# Altium PCB LS1C300B_176A_Msystem.PcbDoc (part 2 of 3)
Units mm, origin at the board's own origin, x right, y up, seen from the top; angles counter-clockwise.
Board outline 100 x 70 mm, 2 copper layers (Top Layer, Bottom Layer); 142 components, 186 nets, 729 pads, 316 vias.
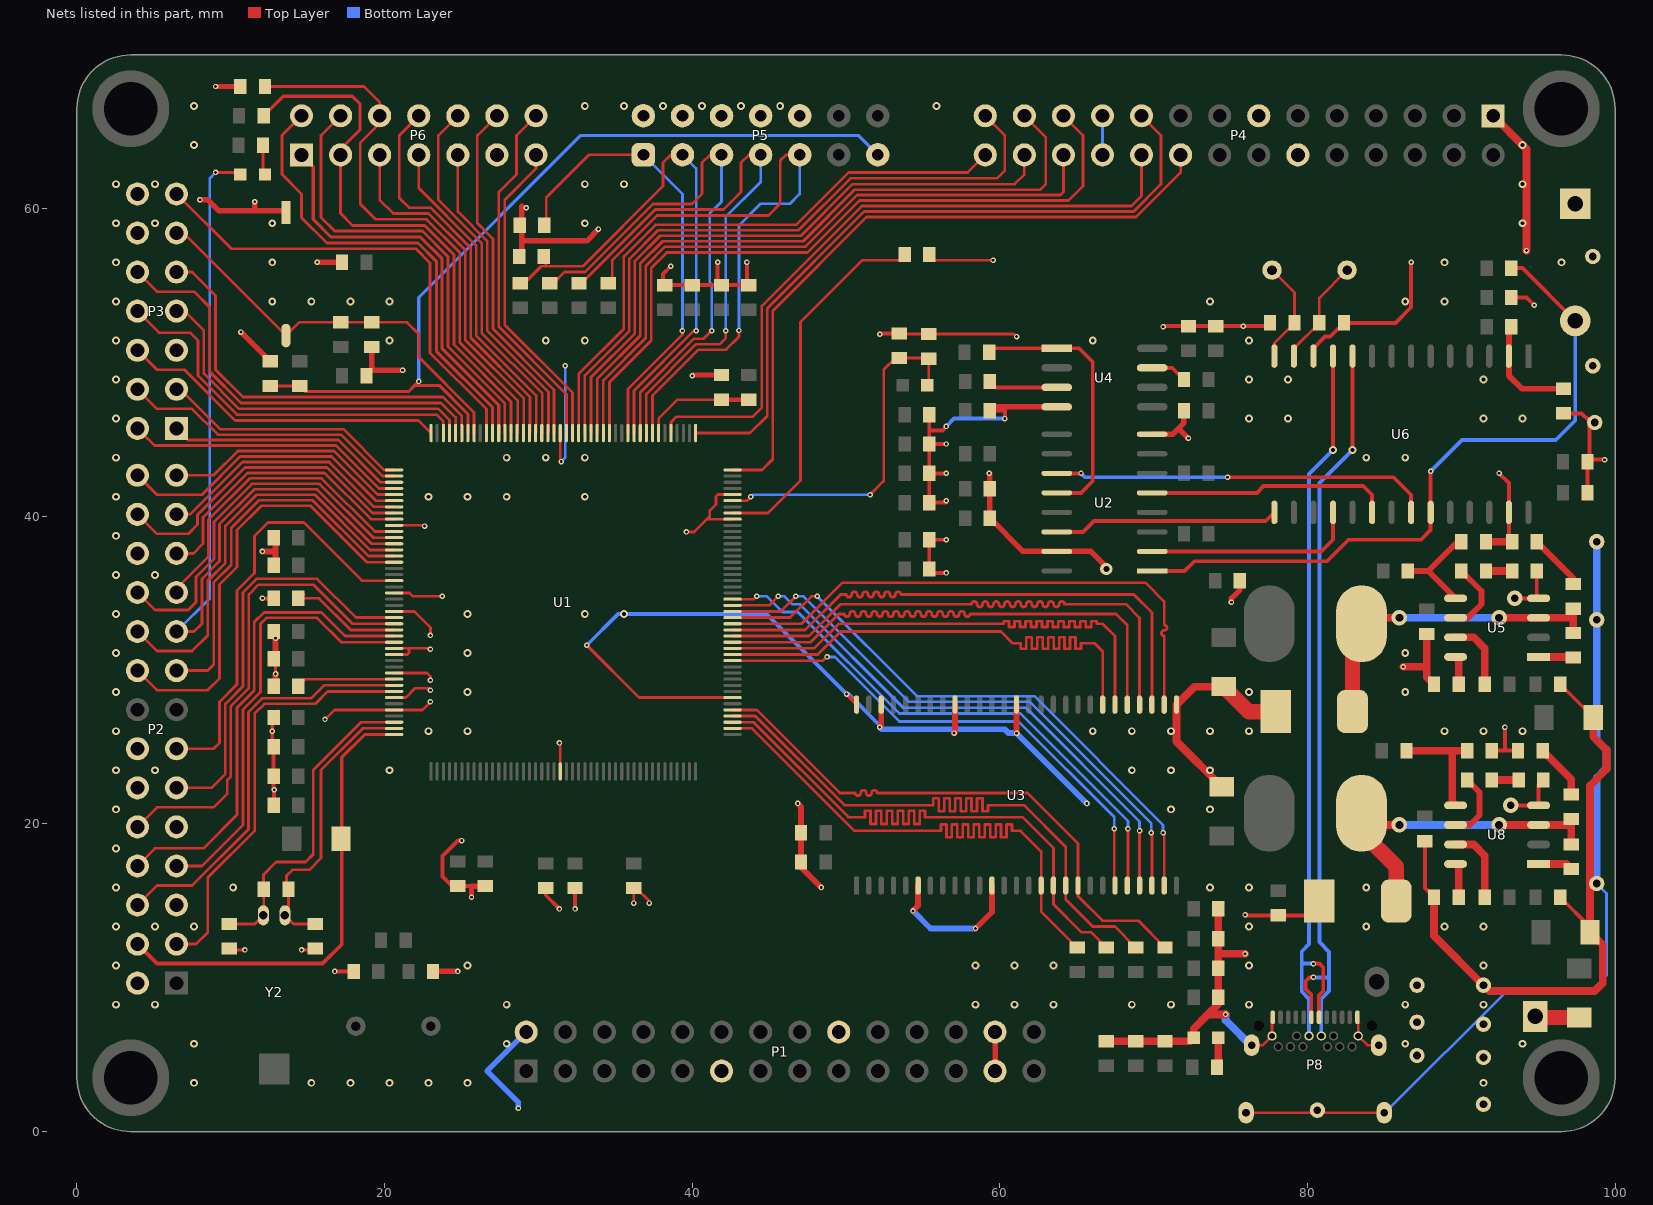
[diagram p2: the nets of this part, all layers, seen from the top]

## Via types
v1: diameter 0.356, hole 0.178, Top Layer to Bottom Layer, 160 vias
v2: diameter 0.508, hole 0.254, Top Layer to Bottom Layer, 138 vias
v3: diameter 1, hole 0.5, Top Layer to Bottom Layer, 11 vias
v4: diameter 0.8, hole 0.4, Top Layer to Bottom Layer, 2 vias
v5: diameter 0.762, hole 0.381, Top Layer to Bottom Layer, 2 vias
v6: diameter 1.5, hole 0.75, Top Layer to Bottom Layer, 1 vias
v7: diameter 0.6, hole 0.3, Top Layer to Bottom Layer, 1 vias
v8: diameter 1.2, hole 0.6, Top Layer to Bottom Layer, 1 vias

## Nets (pads, with @x,y where several pads share a name; then routed paths per layer and width w, separated by ;. In a path a pad name is that pad's centre, name@x,y a point inside that pad or via, vN(x,y) a via of type N, cw(c..) or ccw(c..) an arc to the next point about the centre after c; other vN are vias at no path point) (continued)
88: P4.18 U1.88 | length 43.9
  Top Layer w0.178: U1.88@42.623,43.017 44.541,43.017 45.237,43.713 45.237,53.36 51.339,59.461 68.859,59.461 71.755,62.357 P4.18@71.755,63.5
89: P4.19 U1.89 | length 46
  Top Layer w0.178: U1.89@40.223,45.417 43.766,45.417 44.882,46.533 44.882,53.518 51.181,59.817 68.707,59.817 70.485,61.595 70.485,64.77 P4.19@69.215,66.04
93: P4.20 U1.93 | length 43.9
  Top Layer w0.178: U1.93@38.623,45.417 38.623,46.116 38.989,46.482 43.942,46.482 44.526,47.066 44.526,53.67 51.029,60.173 68.555,60.173 69.215,60.833 P4.20@69.215,63.5
103: P4.23 U1.103 | length 47.2
  Top Layer w0.178: U1.103@34.623,45.417 34.623,48.72 37.338,51.435 37.338,56.134 38.354,57.15 47.498,57.15 50.876,60.528 64.465,60.528 65.405,61.468 65.405,64.77 P4.23@64.135,66.04
104: P4.24 U1.104 | length 43.6
  Top Layer w0.178: U1.104@34.223,45.417 34.223,48.828 36.982,51.587 36.982,56.281 38.232,57.531 47.371,57.531 50.724,60.884 63.932,60.884 64.135,61.087 P4.24@64.135,63.5
105: P4.25 U1.105 | length 45.7
  Top Layer w0.178: U1.105@33.823,45.417 33.823,48.936 36.627,51.74 36.627,56.429 38.085,57.887 47.219,57.887 50.571,61.239 62.636,61.239 62.992,61.595 62.992,64.643 P4.25@61.595,66.04
106: P4.26 U1.106 | length 41.3
  Top Layer w0.178: U1.106@33.423,45.417 33.423,49.044 36.271,51.892 36.271,56.591 37.922,58.242 47.066,58.242 50.419,61.595 60.96,61.595 61.595,62.23 P4.26@61.595,63.5
107: P4.27 U1.107 | length 43.4
  Top Layer w0.178: U1.107@33.023,45.417 33.023,49.152 35.916,52.045 35.916,56.744 37.77,58.598 46.914,58.598 50.292,61.976 59.817,61.976 60.325,62.484 60.325,64.77 P4.27@59.055,66.04
108: P4.28 U1.108 | length 38.9
  Top Layer w0.178: U1.108@32.623,45.417 32.623,49.26 35.56,52.197 35.56,56.896 37.617,58.953 46.761,58.953 50.165,62.357 57.912,62.357 P4.28@59.055,63.5
109: P6.13 U1.109 | length 20.8
  Top Layer w0.178: P6.13@29.845,63.5 29.845,62.611 27.813,60.579 27.813,52.451 32.223,48.041 U1.109@32.223,45.417
110: P6.14 U1.110 | length 23.4
  Top Layer w0.178: P6.14@29.845,66.04 28.575,64.77 28.575,62.23 27.432,61.087 27.432,52.324 31.823,47.933 U1.110@31.823,45.417
112: P6.12 U1.112 | length 23.2
  Top Layer w0.178: P6.12@27.305,66.04 26.035,64.77 26.035,59.055 27.051,58.039 27.051,52.197 31.023,48.225 U1.112@31.023,45.417
113: P6.9 U1.113 | length 20.5
  Top Layer w0.178: P6.9@24.765,63.5 24.765,59.817 26.67,57.912 26.67,52.07 30.656,48.084 30.656,45.45 U1.113@30.623,45.417
114: P6.10 U1.114 | length 24
  Top Layer w0.178: P6.10@24.765,66.04 23.495,64.77 23.495,60.579 26.314,57.76 26.314,51.918 30.256,47.976 30.256,45.45 U1.114@30.223,45.417
115: P6.7 U1.115 | length 21.3
  Top Layer w0.178: P6.7@22.225,63.5 22.225,61.341 25.959,57.607 25.959,51.765 29.856,47.868 29.856,45.45 U1.115@29.823,45.417
116: P6.8 U1.116 | length 25.5
  Top Layer w0.178: P6.8@22.225,66.04 20.955,64.77 20.955,60.706 21.59,60.071 22.987,60.071 25.603,57.455 25.603,51.613 29.456,47.76 29.456,45.45 U1.116@29.423,45.417
117: P6.5 U1.117 | length 23.3
  Top Layer w0.178: P6.5@19.685,63.5 19.685,60.579 20.574,59.69 22.86,59.69 25.248,57.302 25.248,51.46 29.056,47.652 29.056,45.45 U1.117@29.023,45.417
118(5): P6.6 R16.2 U1.118 | length 36.1
  Top Layer w0.178: R16.2@12.23,67.945 18.669,67.945 19.685,66.929 P6.6@19.685,66.04 19.685,65.532 18.415,64.262 18.415,60.325 19.431,59.309 22.733,59.309 24.892,57.15 24.892,51.308 28.656,47.544 28.656,45.45 U1.118@28.623,45.417
119(4): P6.3 R15.2 U1.119 | length 36.3
  Top Layer w0.2: R15.2@12.141,66.04 13.411,67.31 17.907,67.31 18.415,66.802 18.415,65.151 17.145,63.881 P6.3@17.145,63.5 17.145,59.69 17.921,58.914 22.61,58.914 24.511,57.012 24.511,51.17 28.223,47.458 U1.119@28.223,45.417
120: P6.4 U1.120 | length 29.4
  Top Layer w0.178: P6.4@17.145,66.04 15.875,64.77 15.875,59.436 16.764,58.547 22.458,58.547 24.13,56.875 24.13,51.033 27.823,47.34 U1.120@27.823,45.417
121: P6.1 U1.121 | length 26.8
  Top Layer w0.2: P6.1@14.605,63.5 15.367,62.738 15.367,59.309 16.51,58.166 22.32,58.166 23.749,56.737 23.749,50.895 27.423,47.221 U1.121@27.423,45.417
122: P6.2 U1.122 | length 30.3
  Top Layer w0.2: P6.2@14.605,66.04 13.335,64.77 13.335,62.23 14.605,60.96 14.605,59.422 16.256,57.771 22.181,57.771 23.368,56.584 23.368,50.742 27.023,47.087 U1.122@27.023,45.417
123: P3.13 U1.123 | length 30.9
  Top Layer w0.178: P3.13@6.477,60.96 10.033,57.404 22.029,57.404 22.962,56.472 22.962,50.63 26.623,46.968 U1.123@26.623,45.417
127: P3.9 U1.127 | length 26.4
  Top Layer w0.178: P3.9@6.477,55.88 7.493,55.88 9.017,54.356 9.017,49.53 10.795,47.752 23.796,47.752 25.023,46.525 U1.127@25.023,45.417
128: P3.10 U1.128 | length 28.1
  Top Layer w0.178: P3.10@3.937,55.88 5.207,54.61 7.62,54.61 8.636,53.594 8.636,49.403 10.668,47.371 23.674,47.371 24.623,46.422 U1.128@24.623,45.417
129: P3.7 U1.129 | length 23.2
  Top Layer w0.178: P3.7@6.477,53.34 6.985,53.34 8.255,52.07 8.255,49.276 10.541,46.99 23.495,46.99 24.223,46.262 U1.129@24.223,45.417
130: P3.8 U1.130 | length 24.9
  Top Layer w0.178: P3.8@3.937,53.34 5.334,51.943 7.366,51.943 7.874,51.435 7.874,49.149 10.414,46.609 23.368,46.609 23.823,46.154 U1.130@23.823,45.417
132: P3.6 U1.132 | length 21.3
  Top Layer w0.178: P3.6@3.937,50.8 5.207,49.53 6.985,49.53 10.287,46.228 22.212,46.228 U1.132@23.023,45.417
133: P3.3 U1.133 | length 16.3
  Top Layer w0.178: P3.3@6.477,48.26 6.726,48.26 9.317,45.669 17.323,45.669 19.975,43.017 U1.133@20.623,43.017
134: P3.4 U1.134 | length 19
  Top Layer w0.178: P3.4@3.937,48.26 5.207,46.99 7.493,46.99 9.169,45.314 17.17,45.314 19.867,42.617 U1.134@20.623,42.617
135: P3.1 U1.135 | length 15.6
  Top Layer w0.178: P3.1@6.477,45.72 7.239,44.958 17.003,44.958 19.744,42.217 U1.135@20.623,42.217
136: P3.2 U1.136 | length 18.3
  Top Layer w0.178: P3.2@3.937,45.72 5.055,44.602 16.855,44.602 19.641,41.817 U1.136@20.623,41.817
137: P2.27 U1.137 | length 16
  Top Layer w0.178: P2.27@6.477,42.672 8.89,42.672 10.465,44.247 16.708,44.247 19.538,41.417 U1.137@20.623,41.417
138: P2.28 U1.138 | length 19.4
  Top Layer w0.178: P2.28@3.937,42.672 5.207,41.402 8.128,41.402 10.617,43.891 16.561,43.891 19.435,41.017 U1.138@20.623,41.017
139: P2.25 U1.139 | length 16.8
  Top Layer w0.178: P2.25@6.477,40.132 7.366,40.132 10.77,43.536 16.403,43.536 19.322,40.617 U1.139@20.623,40.617
140: P2.26 U1.140 | length 20.6
  Top Layer w0.178: P2.26@3.937,40.132 5.207,38.862 7.239,38.862 7.849,39.472 7.849,40.107 10.922,43.18 16.256,43.18 19.219,40.217 U1.140@20.623,40.217
141: P2.23 U1.141 | length 18.6
  Top Layer w0.178: P2.23@6.477,37.592 7.569,37.592 8.204,38.227 8.204,39.939 11.09,42.824 16.104,42.824 19.111,39.817 U1.141@20.623,39.817
143: P2.21 U1.143 | length 20.2
  Top Layer w0.178: P2.21@6.477,35.052 6.477,35.306 8.56,37.389 8.56,39.792 11.237,42.469 15.915,42.469 19.367,39.017 U1.143@20.623,39.017
144: P2.22 U1.144 | length 24.4
  Top Layer w0.178: P2.22@3.937,35.052 5.08,33.909 7.239,33.909 7.747,34.417 7.747,36.068 8.915,37.236 8.915,39.644 11.384,42.113 15.768,42.113 19.264,38.617 U1.144@20.623,38.617
145: D3.2 P2.19 U1.145 | length 55.3
  Top Layer w0.178: P2.19@6.477,32.512 7.62,32.512 8.128,33.02 8.128,35.941 9.271,37.084 9.271,39.497 11.532,41.758 15.621,41.758 19.161,38.217 U1.145@20.623,38.217 ; v1(9.017,62.357) 10.503,62.357 D3.2@10.63,62.23 D3.2@10.541,62.141
  Bottom Layer w0.178: P2.19@6.477,32.512 8.636,34.671 8.636,61.976 v1(9.017,62.357)
146: P2.20 U1.146 | length 26.4
  Top Layer w0.178: P2.20@3.937,32.512 5.207,31.242 7.493,31.242 8.509,32.258 8.509,35.814 9.652,36.957 9.652,39.37 11.684,41.402 15.474,41.402 19.059,37.817 U1.146@20.623,37.817
147: P2.17 U1.147 | length 24.8
  Top Layer w0.178: P2.17@6.477,29.972 8.509,29.972 8.89,30.353 8.89,35.687 10.033,36.83 10.033,39.243 11.836,41.046 15.326,41.046 18.956,37.417 U1.147@20.623,37.417
148: P2.18 U1.148 | length 28.7
  Top Layer w0.178: P2.18@3.937,29.972 5.207,28.702 8.509,28.702 9.271,29.464 9.271,35.56 10.414,36.703 10.414,39.106 11.999,40.691 15.179,40.691 18.853,37.017 U1.148@20.623,37.017
151: P2.13 U1.151 | length 28.4
  Top Layer w0.178: P2.13@6.477,24.892 8.89,24.892 9.271,25.273 9.271,27.94 10.414,29.083 10.414,35.174 11.544,36.304 11.544,38.722 12.421,39.599 14.757,39.599 18.539,35.817 U1.151@20.623,35.817
157: P2.11 U1.157 | length 27.1
  Top Layer w0.178: P2.11@6.477,22.352 8.763,22.352 9.652,23.241 9.652,27.813 10.795,28.956 10.795,35.052 11.684,35.941 15.621,35.941 18.145,33.417 U1.157@20.623,33.417
158: P2.10 U1.158 | length 31
  Top Layer w0.178: P2.10@3.937,19.812 5.207,21.082 8.89,21.082 9.779,21.971 9.779,22.865 10.008,23.094 10.008,27.661 11.176,28.829 11.176,34.925 11.811,35.56 15.367,35.56 17.91,33.017 U1.158@20.623,33.017
160: P2.8 U1.160 | length 30.8
  Top Layer w0.178: P2.8@3.937,17.272 5.08,18.415 8.23,18.415 10.414,20.599 10.414,27.559 11.532,28.677 11.532,33.122 12.167,33.757 15.9,33.757 17.44,32.217 U1.160@20.623,32.217
161: P2.7 U1.161 | length 28.5
  Top Layer w0.178: P2.7@6.477,17.272 8.128,17.272 10.795,19.939 10.795,27.432 11.938,28.575 11.938,33.02 12.319,33.401 15.621,33.401 17.205,31.817 U1.161@20.623,31.817
168: P2.6 U1.168 | length 27.1
  Top Layer w0.178: P2.6@3.937,14.732 5.207,16.002 7.493,16.002 11.151,19.66 11.151,27.28 12.04,28.169 15.215,28.169 16.063,29.017 U1.168@20.623,29.017
169: P2.3 U1.169 | length 27.5
  Top Layer w0.178: P2.3@6.477,12.192 7.747,12.192 8.509,12.954 8.509,16.51 11.557,19.558 11.557,27.178 12.192,27.813 15.494,27.813 16.298,28.617 U1.169@20.623,28.617
ADC_VDDA: C18.2 C19.2 L1.2 U1.83 | length 22.6
  Top Layer w0.178: U1.83@42.623,41.017 43.557,41.017 v1(43.815,41.275) ; v1(51.562,41.402) 52.451,42.291 52.451,49.53 53.213,50.292 C19.2@53.467,50.292 55.334,50.292 C18.2@55.372,50.254 55.372,48.603 L1.2@55.283,48.514
  Bottom Layer w0.178: v1(43.815,41.275) 43.942,41.402 v1(51.562,41.402)
C\H\_\C\S\: U2.14 U6.15 | length 14.7
  Top Layer w0.254: U2.14@63.702,38.989 65.405,38.989 66.11,39.694 77.286,39.694 U6.15@77.851,40.259
CH_CLK_SPI0_CLK: U2.2 U6.18 | length 13.9
  Top Layer w0.254: U2.2@69.902,37.719 80.899,37.719 81.661,38.481 U6.18@81.661,40.259
CH_MISO_SPI0_MISO: U2.11 U6.22 | length 24.8
  Top Layer w0.254: U2.11@63.702,42.799 v1(65.278,42.799) ; v1(74.803,42.545) 85.598,42.545 86.741,41.402 U6.22@86.741,40.259
  Bottom Layer w0.254: v1(65.278,42.799) 65.532,42.545 v1(74.803,42.545)
CH_MOSI_SPI0_MOSI: U2.5 U6.20 | length 15.9
  Top Layer w0.254: U2.5@69.902,41.529 76.708,41.529 77.153,41.974 83.629,41.974 84.201,41.402 U6.20@84.201,40.259
CH_SDA: R42.1 S3.2 U2.1 U6.23 | length 45.8
  Top Layer w0.254: U2.1@69.902,36.449 72.009,36.449 72.644,37.084 81.28,37.084 82.677,38.481 87.376,38.481 88.011,39.116 U6.23@88.011,40.259 v1(88.011,42.926) ; R42.1@93.256,56.134 93.98,56.134 S3.2@97.409,52.705
  Bottom Layer w0.254: v1(88.011,42.926) 90.043,44.958 96.139,44.958 97.409,46.228 S3.2@97.409,52.705
D+: P8.A6 P8.B6 U6.10 | length 49.7
  Top Layer w0.254: P8.A6@80.249,7.433 80.249,8.905 79.883,9.271 79.883,9.779 80.137,10.033 v1(80.391,10.033) ; v2(82.931,44.323) U6.10@82.931,50.419
  Bottom Layer w0.254: v1(80.391,10.033) 81.407,10.033 ; P8.B6@80.899,6.223 80.899,8.636 81.407,9.144 81.407,10.033 ; v2(82.931,44.323) 80.772,42.164 80.772,12.319 81.407,11.684 81.407,10.033
D-: P8.A7 P8.B7 U6.11 | length 50.1
  Top Layer w0.254: v1(80.391,10.922) 80.772,10.922 81.026,10.668 81.026,9.144 80.749,8.867 P8.A7@80.749,7.433 ; v2(81.661,44.323) U6.11@81.661,50.419
  Bottom Layer w0.254: P8.B7@80.099,6.223 80.099,8.636 79.629,9.106 79.629,10.922 ; v1(80.391,10.922) 79.629,10.922 ; v2(81.661,44.323) 80.099,42.761 80.099,12.192 79.629,11.722 79.629,10.922
EJTAG_RST: P5.1 R35.1 U1.100 | length 29.9
  Top Layer w0.178: R35.1@30.518,58.928 30.518,60.744 33.274,63.5 P5.1@36.83,63.5 ; U1.100@35.823,45.417 35.823,48.269 39.37,51.816 v1(39.37,52.07)
  Bottom Layer w0.178: P5.1@36.83,63.5 39.37,60.96 v1(39.37,52.07)
EJTAG_SEL: R38.1 R39.1 U1.95 | length 7.4
  Top Layer w0.178: U1.95@37.823,45.417 37.823,46.362 39.047,47.587 R39.1@41.91,47.587
  Top Layer w0.3: R39.1@41.91,47.587 R38.1@43.688,47.587 R38.1@43.815,47.587
EJTAG_TCK: P5.5 R30.1 U1.96 | length 42.4
  Top Layer w0.178: R30.1@34.798,55.156 34.798,56.637 35.433,57.272 35.433,57.277 37.719,59.563 44.958,59.563 45.72,60.325 45.72,63.119 46.101,63.5 P5.5@46.99,63.5 ; U1.96@37.423,45.417 37.423,47.857 40.404,50.838 42.202,50.838 43.04,51.676 v1(43.04,52.083)
  Bottom Layer w0.178: v1(43.04,52.083) 43.04,58.915 44.45,60.325 46.355,60.325 46.99,60.96 P5.5@46.99,63.5
EJTAG_TDI: P5.2 R33.1 R34.1 U1.99 | length 35.5
  Top Layer w0.178: R33.1@29.083,55.156 30.188,56.261 30.48,56.261 ; R34.1@30.48,56.896 30.48,56.261 ; U1.99@36.223,45.417 36.223,48.166 40.127,52.07 v1(40.259,52.07) ; P5.2@39.37,63.5 38.608,63.5 38.1,62.992 38.1,61.468 32.893,56.261 30.48,56.261
  Bottom Layer w0.178: P5.2@39.37,63.5 40.259,62.611 v1(40.259,52.07)
EJTAG_TDO: P5.3 R32.1 U1.98 | length 36.3
  Top Layer w0.178: R32.1@30.988,55.156 31.712,55.88 33.02,55.88 37.44,60.3 39.98,60.3 40.64,60.96 40.64,62.992 41.148,63.5 P5.3@41.91,63.5 ; U1.98@36.623,45.417 36.623,48.063 40.109,51.549 40.754,51.549 v1(41.275,52.07)
  Bottom Layer w0.178: v1(41.275,52.07) 41.275,55.105 41.135,55.245 41.135,59.677 41.91,60.452 P5.3@41.91,63.5
EJTAG_TMS: P5.4 R31.1 U1.97 | length 38.3
  Top Layer w0.178: R31.1@32.809,55.156 37.597,59.944 42.037,59.944 43.18,61.087 43.18,62.992 43.688,63.5 P5.4@44.45,63.5 ; U1.97@37.023,45.417 37.023,47.96 40.256,51.194 41.796,51.194 42.177,51.575 v1(42.177,52.07)
  Bottom Layer w0.178: v1(42.177,52.07) 42.177,59.449 44.45,61.722 P5.4@44.45,63.5
FLASH_CS0: R6.2 U2.12 U4.1 | length 17.6
  Top Layer w0.254: R6.2@59.309,50.673 59.563,50.927 U4.1@63.702,50.927 65.151,50.927 66.04,50.038 66.04,42.291 65.278,41.529 U2.12@63.702,41.529
GND: C1.1 C2.1 C3.1 C4.1 C5.1 C6.1 C7.1 C8.1 C9.1 C10.1 C11.1 C12.1 C13.1 C14.1 C15.1 C16.1 C17.1 C18.1 C19.1 C20.1 C21.1 C22.1 C23.1 C24.1 C25.1 C26.1 C27.1 C28.1 C29.1 C30.1 C31.1 C32.1 C33.2 C36.2 C37.1 C38.1 C39.1 C40.1 C41.1 C42.1 C43.1 C44.1 C45.1 C46.1 C47.1 C48.1 C49.2 C53.2 C54.1 C56.1 C57.1 C58.1 C59.1 C60.2 C61.2 C62.1 C63.1 C64.1 C65.1 C67.2 C68.2 C69.1 C70.1 C71.1 D2.1 D4.1 D5.2 P1.2 P1.11 P1.18 P1.25 P1.26 P2.2 P2.5 P2.9 P2.12 P2.14 P2.24 P3.5 P3.12 P3.14 P4.1 P4.12 P4.13 P4.21 P4.22 P5.10 P5.11 P5.12 P5.13 P5.14 P6.11 P8.1 P8.2 P8.3 P8.4 P8.A1 P8.A12 P8.B1 P8.B12 pad.7 pad.11 pad.27 pad.28 pad.32 pad.33 pad.34 pad.35 pad.36 pad.37 pad.38 pad.39 pad.40 pad.41 R2.1 R4.1 R8.2 R11.1 R12.2 R14.1 R16.1 R20.1 R26.1 R27.2 R29.1 R34.2 R35.2 R37.2 R39.2 S2.1 S3.1 U1.22 U1.51 U1.80 U1.84 U1.111 U1.142 U1.153 U1.156 U1.162 U1.163 U1.166 U1.170 U1.172 U2.8 U2.15 U3.6 U3.12 U3.28 U3.41 U3.46 U3.52 U3.54 U4.4 U5.4 U6.12 U6.27 U8.4 | length 451
  Top Layer w0.178: C4.1@9.906,11.9 9.995,11.811 v1(10.922,11.811) ; v1(12.916,29.756) C15.1@12.916,30.734 ; v1(14.605,11.811) 15.151,11.811 15.278,11.684 C3.1@15.494,11.9 ; v1(16.129,26.797) 16.749,27.417 U1.172@20.623,27.417 22.464,27.417 v1(22.987,27.94) ; U1.170@20.623,28.217 21.385,28.217 21.997,28.829 22.86,28.829 v1(22.987,28.702) ; U1.166@20.623,29.817 22.761,29.817 22.987,29.591 v1(22.987,29.337) ; U1.163@20.623,31.017 21.492,31.017 21.59,31.115 21.59,31.417 ; U1.162@20.623,31.417 21.59,31.417 ; U1.156@20.623,33.817 21.936,33.817 22.987,32.766 v1(22.987,32.258) ; U1.153@20.623,35.017 21.625,35.017 21.844,34.798 v1(23.749,34.798) ; U1.142@20.623,39.417 22.559,39.417 v1(22.606,39.37) ; v1(22.987,31.369) 22.939,31.417 21.59,31.417 ; v1(31.369,25.273) 31.423,25.219 U1.22@31.423,23.417 ; U1.111@31.423,45.417 31.423,43.634 v1(31.496,43.561) ; v1(33.147,31.623) 36.553,28.217 U1.51@42.623,28.217 ; v1(36.195,14.859) C22.1@36.195,15.837 36.36,15.837 37.211,14.986 v1(37.211,14.859) ; v1(39.624,38.989) 40.132,38.989 40.96,39.817 ; U1.80@42.623,39.817 40.96,39.817 ; U1.84@42.623,41.417 41.671,41.417 41.542,41.288 41.542,40.78 41.148,40.386 41.148,40.005 40.96,39.817 ; C19.1@53.467,51.892 53.505,51.854 60.922,51.854 v1(61.087,51.689) ; R20.1@55.41,56.642 v1(59.563,56.642) ; P8.2@76.009,1.233 P8.3@84.989,1.233 ; P8.1@76.009,5.263 P8.1@76.369,5.623 77.099,5.623 P8.B12@77.699,6.223 77.699,7.383 P8.A1@77.749,7.433 ; P8.A12@83.249,7.433 83.299,7.383 P8.B1@83.299,6.223 83.899,5.623 P8.4@84.629,5.623 P8.4@84.989,5.263
  Top Layer w0.254: v1(12.065,34.671) R4.1@12.789,34.671 ; C28.1@12.7,25.057 v1(12.7,26.035) 12.7,26.962 C29.1@13.043,27.305 ; C13.1@12.789,21.209 12.827,21.247 v1(12.827,22.225) 12.789,22.263 C14.1@12.789,23.114 C28.1@12.789,25.019 ; v1(16.764,10.414) C1.1@17.996,10.414 ; v1(25.019,18.923) 24.765,18.923 23.762,17.92 23.762,16.586 24.384,15.964 25.654,15.964 ; C5.1@30.48,15.837 30.48,15.367 v1(31.369,14.478) ; v1(32.385,14.478) C6.1@32.385,15.837 ; v1(38.608,56.261) 38.1,55.753 38.1,55.029 43.561,55.029 v1(43.561,56.515) ; C26.1@41.656,55.029 v1(41.656,56.515) ; v1(50.038,28.448) 50.686,27.8 U3.54@50.686,27.762 ; v1(52.197,51.841) 52.248,51.892 C19.1@53.467,51.892 ; C8.1@55.41,42.799 v1(56.515,42.799) ; C9.1@55.41,44.704 v1(56.515,44.704) ; C17.1@55.41,46.609 55.41,45.593 ; v1(56.515,36.322) 55.664,36.322 C23.1@55.41,36.576 C24.1@55.41,38.481 v1(56.515,38.481) ; v1(56.515,41.021) 56.515,40.894 C7.1@55.41,40.894 55.41,45.593 ; v1(56.515,45.847) 56.261,45.593 55.41,45.593 ; C48.1@59.347,46.863 60.325,46.863 v1(60.325,46.355) ; v1(70.612,52.324) 70.65,52.362 C47.1@72.263,52.362 C46.1@74.041,52.362 v1(75.819,52.362) 77.343,52.362 C64.1@77.559,52.578 ; v1(75.946,14.097) 75.984,14.059 C67.2@78.105,14.059 79.845,14.059 D2.1@80.772,14.986 ; U6.12@80.391,50.419 80.391,50.927 81.153,51.689 81.483,51.689 C63.1@82.372,52.578 85.725,52.578 86.741,53.594 v1(86.741,56.515) ; C69.1@87.63,18.885 87.63,15.837 C33.2@88.227,15.24 ; R29.1@91.986,24.765 92.837,24.765 ; v1(92.456,42.799) 93.091,42.164 U6.27@93.091,40.259 93.091,38.57 R12.2@93.307,38.354 ; v1(92.837,26.289) 92.837,24.765 ; v3(93.218,21.209) U8.4@95.029,21.209 95.029,22.563 R26.1@95.326,22.86 ; C56.1@93.256,54.229 94.234,54.229 v1(94.742,53.721) ; v3(93.472,34.671) U5.4@95.029,34.671 94.907,34.793 R11.1@94.907,36.449 ; R27.2@93.688,24.765 92.837,24.765 ; C65.1@96.431,15.24 C36.2@98.374,13.297 ; C54.1@96.431,29.083 98.577,26.937 C53.2@98.577,26.924 ; R8.2@96.647,46.698 97.828,46.698 98.336,46.19 C58.1@98.336,43.688 ; C57.1@98.209,41.529 C58.1@98.209,43.561 C58.1@98.336,43.688 ; v1(99.314,43.688) C58.1@98.336,43.688
  Top Layer w0.3: v1(40.005,49.149) 40.043,49.187 R39.2@41.91,49.187
  Top Layer w0.356: v1(8.001,60.579) 8.509,60.579 9.208,59.88 11.557,59.88 ; v1(9.017,67.945) R16.1@10.63,67.945 ; v1(10.668,51.981) R37.2@12.573,50.076 ; v1(11.557,60.452) 11.557,59.88 ; S2.1@13.589,59.753 13.462,59.88 11.557,59.88 ; C32.1@19.177,51.016 19.177,49.492 v1(21.171,49.492) ; C2.1@23.152,10.414 v1(24.765,10.414) ; v1(25.654,15.24) 25.654,15.964 C21.1@26.67,15.964 ; R34.2@28.88,56.896 28.918,56.934 28.918,57.912 ; v1(29.21,60.071) 29.007,60.071 28.918,60.16 28.918,60.071 28.918,57.912 ; v1(33.909,58.674) 33.147,57.912 28.918,57.912 ; v1(52.197,26.289) 52.286,26.378 U3.52@52.286,27.762 ; v1(59.309,42.799) 59.347,42.761 C71.1@59.347,41.783 C70.1@59.347,39.878 61.506,37.719 U2.15@63.702,37.719 65.913,37.719 66.929,36.703 v4(66.929,36.576) ; C48.1@59.347,46.863 59.601,47.117 U4.4@63.702,47.117 ; P1.25@59.69,3.937 P1.26@59.69,6.477 ; U2.8@69.902,45.339 71.247,45.339 71.609,45.701 ; C59.1@71.971,46.863 71.971,46.063 71.609,45.701 ; v1(72.263,45.085) 72.225,45.085 71.609,45.701 ; v1(75.057,34.417) 75.057,34.671 75.603,35.217 C60.2@75.603,35.814
  Top Layer w0.381: v1(12.065,37.719) 12.916,37.719 ; R2.1@12.916,29.413 v1(12.916,29.756) ; C15.1@12.916,31.115 v1(12.916,32.067) ; C16.1@12.916,36.83 12.916,37.719 ; C31.1@12.916,38.735 12.916,37.719 ; v1(15.621,56.515) C27.1@17.234,56.515 ; v1(46.863,21.336) 47.079,21.12 47.079,17.183 v1(48.387,15.875) ; v1(54.356,14.351) 54.686,14.681 U3.6@54.686,16.002 ; v1(57.023,25.909) 57.086,25.972 U3.46@57.086,27.762 ; v1(58.42,13.208) 59.486,14.274 U3.12@59.486,16.002 ; U3.41@61.086,27.762 v1(61.087,25.908) v1(61.087,25.908)
  Top Layer w0.5: C44.1@66.929,5.88 72.39,5.88 D5.2@72.606,6.096 72.606,6.693 73.533,7.62 ; C42.1@74.206,14.478 74.206,11.557 ; C68.2@74.422,22.428 71.486,25.364 U3.28@71.486,27.762 72.655,28.931 C61.2@74.549,28.931 ; v1(74.676,7.62) 73.533,7.62 ; v1(75.946,11.557) 74.206,11.557 ; v1(86.233,30.226) 87.757,30.226 ; C62.1@87.757,32.347 87.757,30.226 ; C33.2@88.227,15.24 88.227,12.738 pad.36@91.44,9.525 91.821,9.144 98.679,9.144 99.187,9.652 99.187,12.141 C36.2@98.374,12.954 98.374,13.297 98.374,22.499 99.437,23.562 99.437,24.825 98.577,25.685 C53.2@98.577,26.924 ; C49.2@88.227,29.083 87.757,29.553 87.757,30.226 ; R14.1@91.605,38.354 R12.2@93.307,38.354 ; P4.1@92.202,65.913 v2(93.98,64.135) 94.234,63.881 v1(94.234,57.277) ; 73.533,7.62 74.206,8.293 74.206,11.557
  Top Layer w1: C61.2@74.549,28.931 76.175,27.305 D4.1@77.931,27.305
  Bottom Layer w0.178: v1(31.496,43.561) 31.75,43.815 v1(31.75,49.784) ; P4.22@66.675,63.5 P4.21@66.675,66.04 ; P8.3@84.989,1.233 85.053,1.233 92.964,9.144 98.425,9.144 99.441,10.16 99.441,15.494 pad.39@98.806,16.129
  Bottom Layer w0.254: v1(33.147,31.623) 35.179,33.655 v2(35.56,33.655) 44.831,33.655 v1(50.038,28.448) 50.165,28.448 52.197,26.416 v1(52.197,26.289) ; v1(56.515,45.847) 57.023,46.355 v1(60.325,46.355)
  Bottom Layer w0.356: P2.2@3.937,9.271 P2.2@3.937,9.652 ; v1(28.702,1.524) 28.702,1.905 26.67,3.937 P1.2@29.21,6.477
  Bottom Layer w0.381: v1(52.197,26.289) 52.324,26.162 60.325,26.162 60.579,25.908 v1(61.087,25.908) v1(65.659,21.336) ; v1(54.356,14.351) 55.499,13.208 v1(58.42,13.208)
  Bottom Layer w0.5: v1(74.676,7.62) 74.676,7.239 P8.1@76.56,5.355 ; P8.1@76.369,5.623 P8.1@76.369,5.927 ; pad.39@98.806,16.129 98.806,22.987 99.437,23.618 99.437,24.825 98.806,25.456 pad.27@98.806,33.274 pad.7@98.806,38.354
  other v2: 7.62,3.175 15.24,3.175 17.78,3.175 20.32,3.175 22.86,3.175 25.4,3.175 91.44,3.175 7.62,5.715 27.94,5.715 86.36,5.715 93.98,5.715 2.54,8.255 5.08,8.255 27.94,8.255 58.42,8.255 60.96,8.255 63.5,8.255 68.58,8.255 71.12,8.255 76.2,8.255 86.36,8.255 91.44,8.255 2.54,10.795 25.4,10.795 58.42,10.795 60.96,10.795 63.5,10.795 76.2,10.795 91.44,10.795 2.54,13.335 5.08,13.335 7.62,13.335 76.2,13.335 83.82,13.335 88.9,13.335 91.44,13.335 2.54,15.875 10.16,15.875 73.66,15.875 76.2,15.875 83.82,15.875 2.54,18.415 2.54,20.955 71.12,20.955 73.66,20.955 2.54,23.495 5.08,23.495 20.32,23.495 68.58,23.495 71.12,23.495 73.66,23.495 2.54,26.035 22.86,26.035 25.4,26.035 66.04,26.035 68.58,26.035 71.12,26.035 73.66,26.035 76.2,26.035 88.9,26.035 91.44,26.035 93.98,26.035 2.54,28.575 25.4,28.575 76.2,28.575 86.36,28.575 2.54,31.115 25.4,31.115 86.36,31.115 2.54,33.655 25.4,33.655 33.02,33.655 2.54,36.195 5.08,36.195 2.54,38.735 2.54,41.275 22.86,41.275 25.4,41.275 27.94,41.275 33.02,41.275 2.54,43.815 27.94,43.815 30.48,43.815 33.02,43.815 83.82,43.815 86.36,43.815 2.54,46.355 76.2,46.355 78.74,46.355 91.44,46.355 93.98,46.355 2.54,48.895 76.2,48.895 78.74,48.895 91.44,48.895 2.54,51.435 20.32,51.435 30.48,51.435 33.02,51.435 66.04,51.435 76.2,51.435 2.54,53.975 12.7,53.975 15.24,53.975 17.78,53.975 20.32,53.975 73.66,53.975 86.36,53.975 88.9,53.975 2.54,56.515 12.7,56.515 88.9,56.515 96.52,56.515 2.54,59.055 5.08,59.055 12.7,59.055 33.02,59.055 93.98,59.055 2.54,61.595 5.08,61.595 33.02,61.595 35.56,61.595 93.98,61.595 7.62,64.135 7.62,66.675 33.02,66.675 35.56,66.675 38.1,66.675 40.64,66.675 43.18,66.675 45.72,66.675 55.88,66.675
JTAG_SEL: P5.7 R36.1 R37.1 U1.126 | length 55.7
  Top Layer w0.2: R37.1@12.573,48.476 R36.1@14.478,48.476 14.835,48.119 21.576,48.119 21.971,48.514 ; v1(22.225,48.768) 21.971,48.514 ; U1.126@25.423,45.417 25.423,46.644 23.553,48.514 22.225,48.514 21.971,48.514
  Bottom Layer w0.2: v1(22.225,48.768) 22.225,54.229 32.766,64.77 50.8,64.77 P5.7@52.07,63.5
NetC33_1: C33.1 U8.8 | length 2.2
  Top Layer w0.5: U8.8@89.629,17.399 89.827,17.201 C33.1@89.827,15.24
NetC34_1: C34.1 U8.1 | length 2.3
  Top Layer w0.5: U8.1@95.029,17.399 96.825,17.399 C34.1@97.155,17.069
NetC34_2: C34.2 C66.2 D2.2 L3.2 U8.3 | length 21.5
  Top Layer w0.5: L3.2@83.518,20.193 83.772,19.939 v3(85.979,19.939) ; v3(92.456,19.939) U8.3@95.029,19.939 C66.2@97.155,19.939 ; C34.2@97.155,18.669 C66.2@97.155,19.939 ; C66.2@97.155,20.32 C66.2@97.155,19.939
  Top Layer w1: L3.2@83.518,20.193 83.518,19.479 85.772,17.225 D2.2@85.772,14.986
  Bottom Layer w0.5: v3(85.979,19.939) v3(92.456,19.939)
NetC35_1: C35.1 R26.2 | length 1.7
  Top Layer w0.5: C35.1@91.986,22.86 R26.2@93.726,22.86
NetC35_2: C35.2 U8.6 | length 4.4
  Top Layer w0.381: U8.6@89.629,19.939 90.551,19.939 91.186,20.574 91.186,22.06 C35.2@90.386,22.86
NetC49_1: C49.1 U5.8 | length 1.9
  Top Layer w0.5: U5.8@89.629,30.861 89.827,30.663 C49.1@89.827,29.083
NetC50_1: C50.1 U5.1 | length 2.3
  Top Layer w0.5: U5.1@95.029,30.861 97.244,30.861 C50.1@97.282,30.823
NetC50_2: C50.2 C55.2 D4.2 L2.2 U5.3 | length 21.5
  Top Layer w0.5: L2.2@83.518,33.02 83.899,33.401 v3(85.979,33.401) ; v3(92.456,33.401) U5.3@95.029,33.401 97.155,33.401 97.282,33.274 ; C50.2@97.282,32.423 97.282,33.274 ; C55.2@97.282,33.998 97.282,33.274
  Top Layer w1: D4.2@82.931,27.305 82.931,32.433 L2.2@83.518,33.02
  Bottom Layer w0.5: v3(85.979,33.401) v3(92.456,33.401)
NetC51_1: C51.1 R11.2 | length 1.7
  Top Layer w0.508: C51.1@91.605,36.449 R11.2@93.307,36.449
NetC51_2: C51.2 U5.6 | length 4.8
  Top Layer w0.381: U5.6@89.629,33.401 90.424,33.401 91.313,34.29 91.313,35.141 C51.2@90.005,36.449
NetC52_1: C52.1 R8.1 U6.2 | length 7.2
  Top Layer w0.381: C52.1@93.256,52.324 93.091,52.159 U6.2@93.091,50.419 93.091,49.149 93.942,48.298 R8.1@96.647,48.298
NetC55_1: C55.1 R12.1 | length 3.7
  Top Layer w0.381: R12.1@94.907,38.354 97.282,35.979 C55.1@97.282,35.598
NetC63_2: C63.2 U6.13 Y3.1 | length 7
  Top Layer w0.178: U6.13@79.121,50.419 79.121,50.927 C63.2@80.772,52.578 80.772,54.202 Y3.1@82.577,56.007
NetC64_2: C64.2 U6.14 Y3.2 | length 6.7
  Top Layer w0.178: Y3.2@77.697,56.007 79.159,54.545 C64.2@79.159,52.578 77.851,51.27 U6.14@77.851,50.419
NetC66_1: C66.1 R27.1 | length 3.6
  Top Layer w0.5: R27.1@95.288,24.765 97.155,22.898 C66.1@97.155,21.92
NetD3_1: D3.1 R3.1 | length 2
  Top Layer w0.178: R3.1@12.103,64.135 12.103,62.357 D3.1@12.23,62.23
NetD5_1: D5.1 R1.1 | length 1.9
  Top Layer w0.5: R1.1@74.117,4.191 74.206,4.28 D5.1@74.206,6.096
NetF1_2: F1.2 S1.1 | length 2.9
  Top Layer w1: S1.1@94.812,7.493 94.888,7.417 F1.2@97.663,7.417
NetR2_2: R2.2 U1.167 | length 6.1
  Top Layer w0.178: R2.2@14.643,29.21 14.85,29.417 U1.167@20.623,29.417
NetR4_2: R4.2 U1.159 | length 7.1
  Top Layer w0.178: R4.2@14.516,34.925 R4.2@14.77,34.925 ; R4.2@14.643,34.671 15.748,34.671 17.802,32.617 U1.159@20.623,32.617
NetR10_2: R10.2 U5.7 | length 4.5
  Top Layer w0.5: U5.7@89.629,32.131 90.805,32.131 91.529,31.407 R10.2@91.529,29.083
NetR13_1: R13.1 R14.2 U5.5 | length 6.8
  Top Layer w0.381: R13.1@86.525,36.449 87.851,36.449 ; U5.5@89.629,34.671 87.851,36.449 ; R14.2@90.005,38.354 89.756,38.354 87.851,36.449
NetR20_2: R20.2 U1.81 | length 24
  Top Layer w0.178: U1.81@42.623,40.217 44.916,40.217 47.041,42.342 47.041,52.629 51.054,56.642 R20.2@53.81,56.642
NetR25_2: R25.2 U8.7 | length 4.9
  Top Layer w0.5: U8.7@89.629,18.669 90.805,18.669 91.529,17.945 R25.2@91.529,15.24
NetR28_1: R28.1 R29.2 U8.5 | length 7.6
  Top Layer w0.5: R28.1@86.436,24.765 89.408,24.765 ; U8.5@89.629,21.209 89.408,21.43 89.408,24.765 ; R29.2@90.386,24.765 89.408,24.765
RTC_VDDA: D1.2 P2.4 U1.176 | length 30.5
  Top Layer w0.2: D1.2@17.221,19.431 17.221,24.333 18.705,25.817 U1.176@20.623,25.817
  Top Layer w0.254: P2.4@3.937,12.192 5.207,10.922 15.974,10.922 17.221,12.169 17.221,19.05 D1.2@17.221,19.431
RTCI: C3.2 R41.2 U1.175 Y2.2 | length 19.2
  Top Layer w0.178: R41.2@13.627,15.748 13.627,16.637 14.008,17.018 15.113,17.018 15.875,17.78 15.875,23.506 18.586,26.217 U1.175@20.623,26.217 ; R41.2@13.754,15.748 13.754,14.291 Y2.2@13.527,14.064 14.091,13.5 C3.2@15.494,13.5
RTCO: C4.2 R41.1 U1.174 Y2.1 | length 20.9
  Top Layer w0.178: C4.2@9.906,13.5 11.563,13.5 Y2.1@12.127,14.064 12.154,14.091 R41.1@12.154,15.748 ; R41.1@12.127,15.748 12.127,16.699 12.954,17.526 14.859,17.526 15.367,18.034 15.367,23.5 18.484,26.617 U1.174@20.623,26.617
S\D\R\A\M\_\C\A\S\: R23.2 U1.47 U3.17 | length 42
  Top Layer w0.178: U1.47@42.623,26.617 43.99,26.617 50.16,20.447 51.054,20.447 51.232,20.447 51.232,20.866 51.587,20.866 51.587,20.447 51.587,20.002 51.943,20.002 51.943,20.447 51.943,20.866 52.299,20.866 52.299,20.447 52.299,20.002 52.654,20.002 52.654,20.447 52.654,20.866 53.01,20.866 53.01,20.447 53.01,20.002 53.365,20.002 53.365,20.447 53.365,20.866 53.721,20.866 53.721,20.447 53.721,20.002 54.077,20.002 54.077,20.447 54.077,20.866 54.432,20.866 54.432,20.447 54.432,20.002 54.788,20.002 54.788,20.447 54.788,20.866 55.143,20.866 55.143,20.447 55.245,20.447 61.468,20.447 63.486,18.429 U3.17@63.486,16.002 63.486,14.784 65.316,12.954 65.951,12.954 R23.2@66.929,11.976
S\D\R\A\M\_\C\S\: R21.2 U1.49 U3.19 | length 37.3
  Top Layer w0.178: U1.49@42.623,27.417 44.206,27.417 49.602,22.021 50.242,22.021 50.598,22.021 ccw(c50.775,22.021) 50.953,22.021 cw(c51.131,22.021) 51.309,22.021 ccw(c51.487,22.021) 51.664,22.021 cw(c51.842,22.021) 52.02,22.021 52.197,22.021 61.799,22.021 65.086,18.734 U3.19@65.086,16.002 65.086,15.305 66.675,13.716 68.999,13.716 R21.2@70.739,11.976
S\D\R\A\M\_\R\A\S\: R22.2 U1.48 U3.18 | length 42.9
  Top Layer w0.178: U1.48@42.623,27.017 44.103,27.017 49.898,21.222 55.499,21.222 55.677,21.222 55.677,21.665 56.032,21.665 56.032,21.222 56.032,20.822 56.388,20.822 56.388,21.222 56.388,21.665 56.744,21.665 56.744,21.222 56.744,20.822 57.099,20.822 57.099,21.222 57.099,21.665 57.455,21.665 57.455,21.222 57.455,20.822 57.81,20.822 57.81,21.222 57.81,21.665 58.166,21.665 58.166,21.222 58.166,20.822 58.522,20.822 58.522,21.222 58.522,21.665 58.877,21.665 58.877,21.222 58.877,20.822 59.233,20.822 59.233,21.222 59.563,21.222 61.582,21.222 64.286,18.518 U3.18@64.286,16.002 64.286,15.089 66.04,13.335 67.475,13.335 R22.2@68.834,11.976
S\D\R\A\M\_\W\E\: R24.2 U1.46 U3.16 | length 41.2
  Top Layer w0.178: U1.46@42.623,26.217 43.887,26.217 50.546,19.558 55.994,19.558 56.172,19.558 56.172,19.962 56.528,19.962 56.528,19.558 56.528,19.142 56.883,19.142 56.883,19.558 56.883,19.962 57.239,19.962 57.239,19.558 57.239,19.142 57.594,19.142 57.594,19.558 57.594,19.962 57.95,19.962 57.95,19.558 57.95,19.142 58.306,19.142 58.306,19.558 58.306,19.962 58.661,19.962 58.661,19.558 58.661,19.142 59.017,19.142 59.017,19.558 59.017,19.962 59.372,19.962 59.372,19.558 59.372,19.142 59.728,19.142 59.728,19.558 59.728,19.962 60.084,19.962 60.084,19.558 60.084,19.142 60.439,19.142 60.439,19.558 60.439,19.962 60.795,19.962 60.795,19.558 61.15,19.558 61.214,19.558 61.341,19.558 62.686,18.213 U3.16@62.686,16.002 62.686,14.314 R24.2@65.024,11.976
S\P\I\_\H\O\L\D\: R5.2 U4.7 | length 2.4
  Top Layer w0.254: U4.7@69.902,49.657 71.209,49.657 R5.2@71.971,48.895
S\P\I\_\W\P\: R7.2 U4.3 | length 4.5
  Top Layer w0.254: R7.2@59.347,48.768 59.728,48.387 U4.3@63.702,48.387
S\Y\S\_\R\E\S\E\T\: C32.2 P3.11 R9.1 S2.2 U1.125 | length 27.1
  Top Layer w0.178: P3.11@6.477,58.42 6.922,58.42 S2.2@13.589,51.753 14.452,52.616 R9.1@17.145,52.616 C32.2@19.177,52.616 21.463,52.616 22.225,51.854 22.225,50.361 25.823,46.763 U1.125@25.823,45.417
SDRAM_A0: U1.67 U3.23 | length 36
  Top Layer w0.178: U1.67@42.623,34.617 44.015,34.617 v1(44.196,34.798) ; U3.23@68.286,16.002 68.326,16.042 v1(68.326,19.685)
  Bottom Layer w0.178: v1(44.196,34.798) 44.857,34.798 45.873,33.782 46.863,33.782 53.467,27.178 61.341,27.178 68.326,20.193 v1(68.326,19.685)
SDRAM_A1: U1.66 U3.24 | length 36.9
  Top Layer w0.178: U1.66@42.623,34.217 45.012,34.217 v1(45.593,34.798) ; U3.24@69.086,16.002 69.088,16.004 v1(69.088,19.558)
  Bottom Layer w0.178: v1(45.593,34.798) 46,34.798 46.52,34.277 47.003,34.277 53.721,27.559 61.696,27.559 69.088,20.167 v1(69.088,19.558)
SDRAM_A2: U1.65 U3.25 | length 37.8
  Top Layer w0.178: U1.65@42.623,33.817 45.755,33.817 v1(46.736,34.798) ; v1(69.85,19.431) 69.886,19.395 U3.25@69.886,16.002
  Bottom Layer w0.178: v1(46.736,34.798) 47.244,34.798 54.102,27.94 61.95,27.94 69.85,20.04 v1(69.85,19.431)
SDRAM_A3: U1.64 U3.26 | length 38.7
  Top Layer w0.178: U1.64@42.623,33.417 46.371,33.417 47.752,34.798 v1(48.133,34.798) ; v1(70.612,19.431) 70.686,19.357 U3.26@70.686,16.002
  Bottom Layer w0.178: v1(48.133,34.798) 54.623,28.308 62.243,28.308 70.612,19.939 v1(70.612,19.431)
SDRAM_A4: U1.63 U3.29 | length 36.8
  Top Layer w0.178: U1.63@42.623,33.017 47.114,33.017 49.784,35.687 69.469,35.687 70.686,34.47 70.686,33.655 70.686,33.299 70.686,32.944 cw(c70.686,32.766) 70.686,32.588 ccw(c70.686,32.41) 70.686,32.233 70.686,32.131 U3.29@70.686,27.762
SDRAM_A5: U1.62 U3.30 | length 36.7
  Top Layer w0.178: U1.62@42.623,32.617 42.633,32.607 47.339,32.607 49.657,34.925 50.013,34.925 ccw(c50.19,34.925) 50.368,34.925 cw(c50.546,34.925) 50.724,34.925 ccw(c50.902,34.925) 51.079,34.925 cw(c51.257,34.925) 51.435,34.925 ccw(c51.613,34.925) 51.791,34.925 cw(c51.968,34.925) 52.146,34.925 ccw(c52.324,34.925) 52.502,34.925 cw(c52.68,34.925) 52.857,34.925 ccw(c53.035,34.925) 53.213,34.925 cw(c53.391,34.925) 53.569,34.925 53.721,34.925 68.707,34.925 69.886,33.746 U3.30@69.886,27.762
SDRAM_A6: U1.61 U3.31 | length 36.8
  Top Layer w0.178: U1.61@42.623,32.217 47.584,32.217 49.657,34.29 58.166,34.29 cw(c58.344,34.29) 58.522,34.29 ccw(c58.699,34.29) 58.877,34.29 cw(c59.055,34.29) 59.233,34.29 ccw(c59.411,34.29) 59.588,34.29 cw(c59.766,34.29) 59.944,34.29 ccw(c60.122,34.29) 60.3,34.29 cw(c60.477,34.29) 60.655,34.29 ccw(c60.833,34.29) 61.011,34.29 cw(c61.189,34.29) 61.366,34.29 ccw(c61.544,34.29) 61.722,34.29 cw(c61.9,34.29) 62.078,34.29 ccw(c62.255,34.29) 62.433,34.29 cw(c62.611,34.29) 62.789,34.29 ccw(c62.967,34.29) 63.144,34.29 cw(c63.322,34.29) 63.5,34.29 ccw(c63.678,34.29) 63.856,34.29 cw(c64.033,34.29) 64.211,34.29 64.262,34.29 68.199,34.29 69.086,33.403 U3.31@69.086,27.762
SDRAM_A7: U1.60 U3.32 | length 36.6
  Top Layer w0.178: U1.60@42.623,31.817 47.692,31.817 49.53,33.655 49.886,33.655 ccw(c50.063,33.655) 50.241,33.655 cw(c50.419,33.655) 50.597,33.655 ccw(c50.775,33.655) 50.952,33.655 cw(c51.13,33.655) 51.308,33.655 ccw(c51.486,33.655) 51.664,33.655 cw(c51.841,33.655) 52.019,33.655 ccw(c52.197,33.655) 52.375,33.655 cw(c52.553,33.655) 52.73,33.655 ccw(c52.908,33.655) 53.086,33.655 cw(c53.264,33.655) 53.442,33.655 ccw(c53.619,33.655) 53.797,33.655 cw(c53.975,33.655) 54.153,33.655 ccw(c54.331,33.655) 54.508,33.655 cw(c54.686,33.655) 54.864,33.655 ccw(c55.042,33.655) 55.22,33.655 cw(c55.397,33.655) 55.575,33.655 ccw(c55.753,33.655) 55.931,33.655 cw(c56.109,33.655) 56.286,33.655 ccw(c56.464,33.655) 56.642,33.655 cw(c56.82,33.655) 56.998,33.655 ccw(c57.175,33.655) 57.353,33.655 cw(c57.531,33.655) 57.709,33.655 ccw(c57.887,33.655) 58.064,33.655 58.166,33.655 67.564,33.655 68.286,32.933 U3.32@68.286,27.762
SDRAM_A8: U1.59 U3.33 | length 36.7
  Top Layer w0.178: U1.59@42.623,31.417 47.932,31.417 49.535,33.02 60.071,33.02 60.249,33.02 60.249,33.185 60.604,33.185 60.604,33.02 60.604,32.803 60.96,32.803 60.96,33.02 60.96,33.185 61.316,33.185 61.316,33.02 61.316,32.803 61.671,32.803 61.671,33.02 61.671,33.185 62.027,33.185 62.027,33.02 62.027,32.803 62.382,32.803 62.382,33.02 62.382,33.185 62.738,33.185 62.738,33.02 62.738,32.803 63.094,32.803 63.094,33.02 63.094,33.185 63.449,33.185 63.449,33.02 63.449,32.803 63.805,32.803 63.805,33.02 63.805,33.185 64.16,33.185 64.16,33.02 64.16,32.803 64.516,32.803 64.516,33.02 64.516,33.185 64.872,33.185 64.872,33.02 64.872,32.803 65.227,32.803 65.227,33.02 65.227,33.185 65.583,33.185 65.583,33.02 65.583,32.803 65.938,32.803 65.938,33.02 65.938,33.185 66.294,33.185 66.294,33.02 66.472,33.02 66.675,33.02 67.486,32.209 U3.33@67.486,27.762
SDRAM_A9: U1.58 U3.34 | length 37
  Top Layer w0.178: U1.58@42.623,31.017 48.162,31.017 49.657,32.512 60.071,32.512 60.833,31.75 61.011,31.75 61.366,31.75 61.366,31.39 61.722,31.39 61.722,31.75 61.722,32.148 62.078,32.148 62.078,31.75 62.078,31.39 62.433,31.39 62.433,31.75 62.433,32.148 62.789,32.148 62.789,31.75 62.789,31.39 63.144,31.39 63.144,31.75 63.144,32.148 63.5,32.148 63.5,31.75 63.5,31.39 63.856,31.39 63.856,31.75 63.856,32.148 64.211,32.148 64.211,31.75 64.211,31.39 64.567,31.39 64.567,31.75 64.567,32.148 64.922,32.148 64.922,31.75 64.922,31.387 65.278,31.387 65.278,31.75 65.634,31.75 66.167,31.75 66.686,31.231 U3.34@66.686,27.762
SDRAM_A10: U1.57 U3.22 | length 33.7
  Top Layer w0.178: U1.57@42.623,30.617 48.504,30.617 48.748,30.861 v1(48.768,30.861) ; v1(67.437,19.685) 67.437,16.051 U3.22@67.486,16.002
  Bottom Layer w0.178: v1(48.768,30.861) 49.276,30.861 53.467,26.67 61.214,26.67 67.437,20.447 v1(67.437,19.685)